# Altium PCB IPG.PcbDoc (part 9 of 10)
Units mm, origin at the board's own origin, x right, y up, seen from the top; angles counter-clockwise.
Board outline 69.6 x 90.73 mm, 10 copper layers (TOP, DHOR, DVERT, GND 1, POWER, GND 2, GND 3, AVERT, AHOR, BOT), stack 1.062 mm thick; 727 components, 391 nets, 2009 pads, 3077 vias.
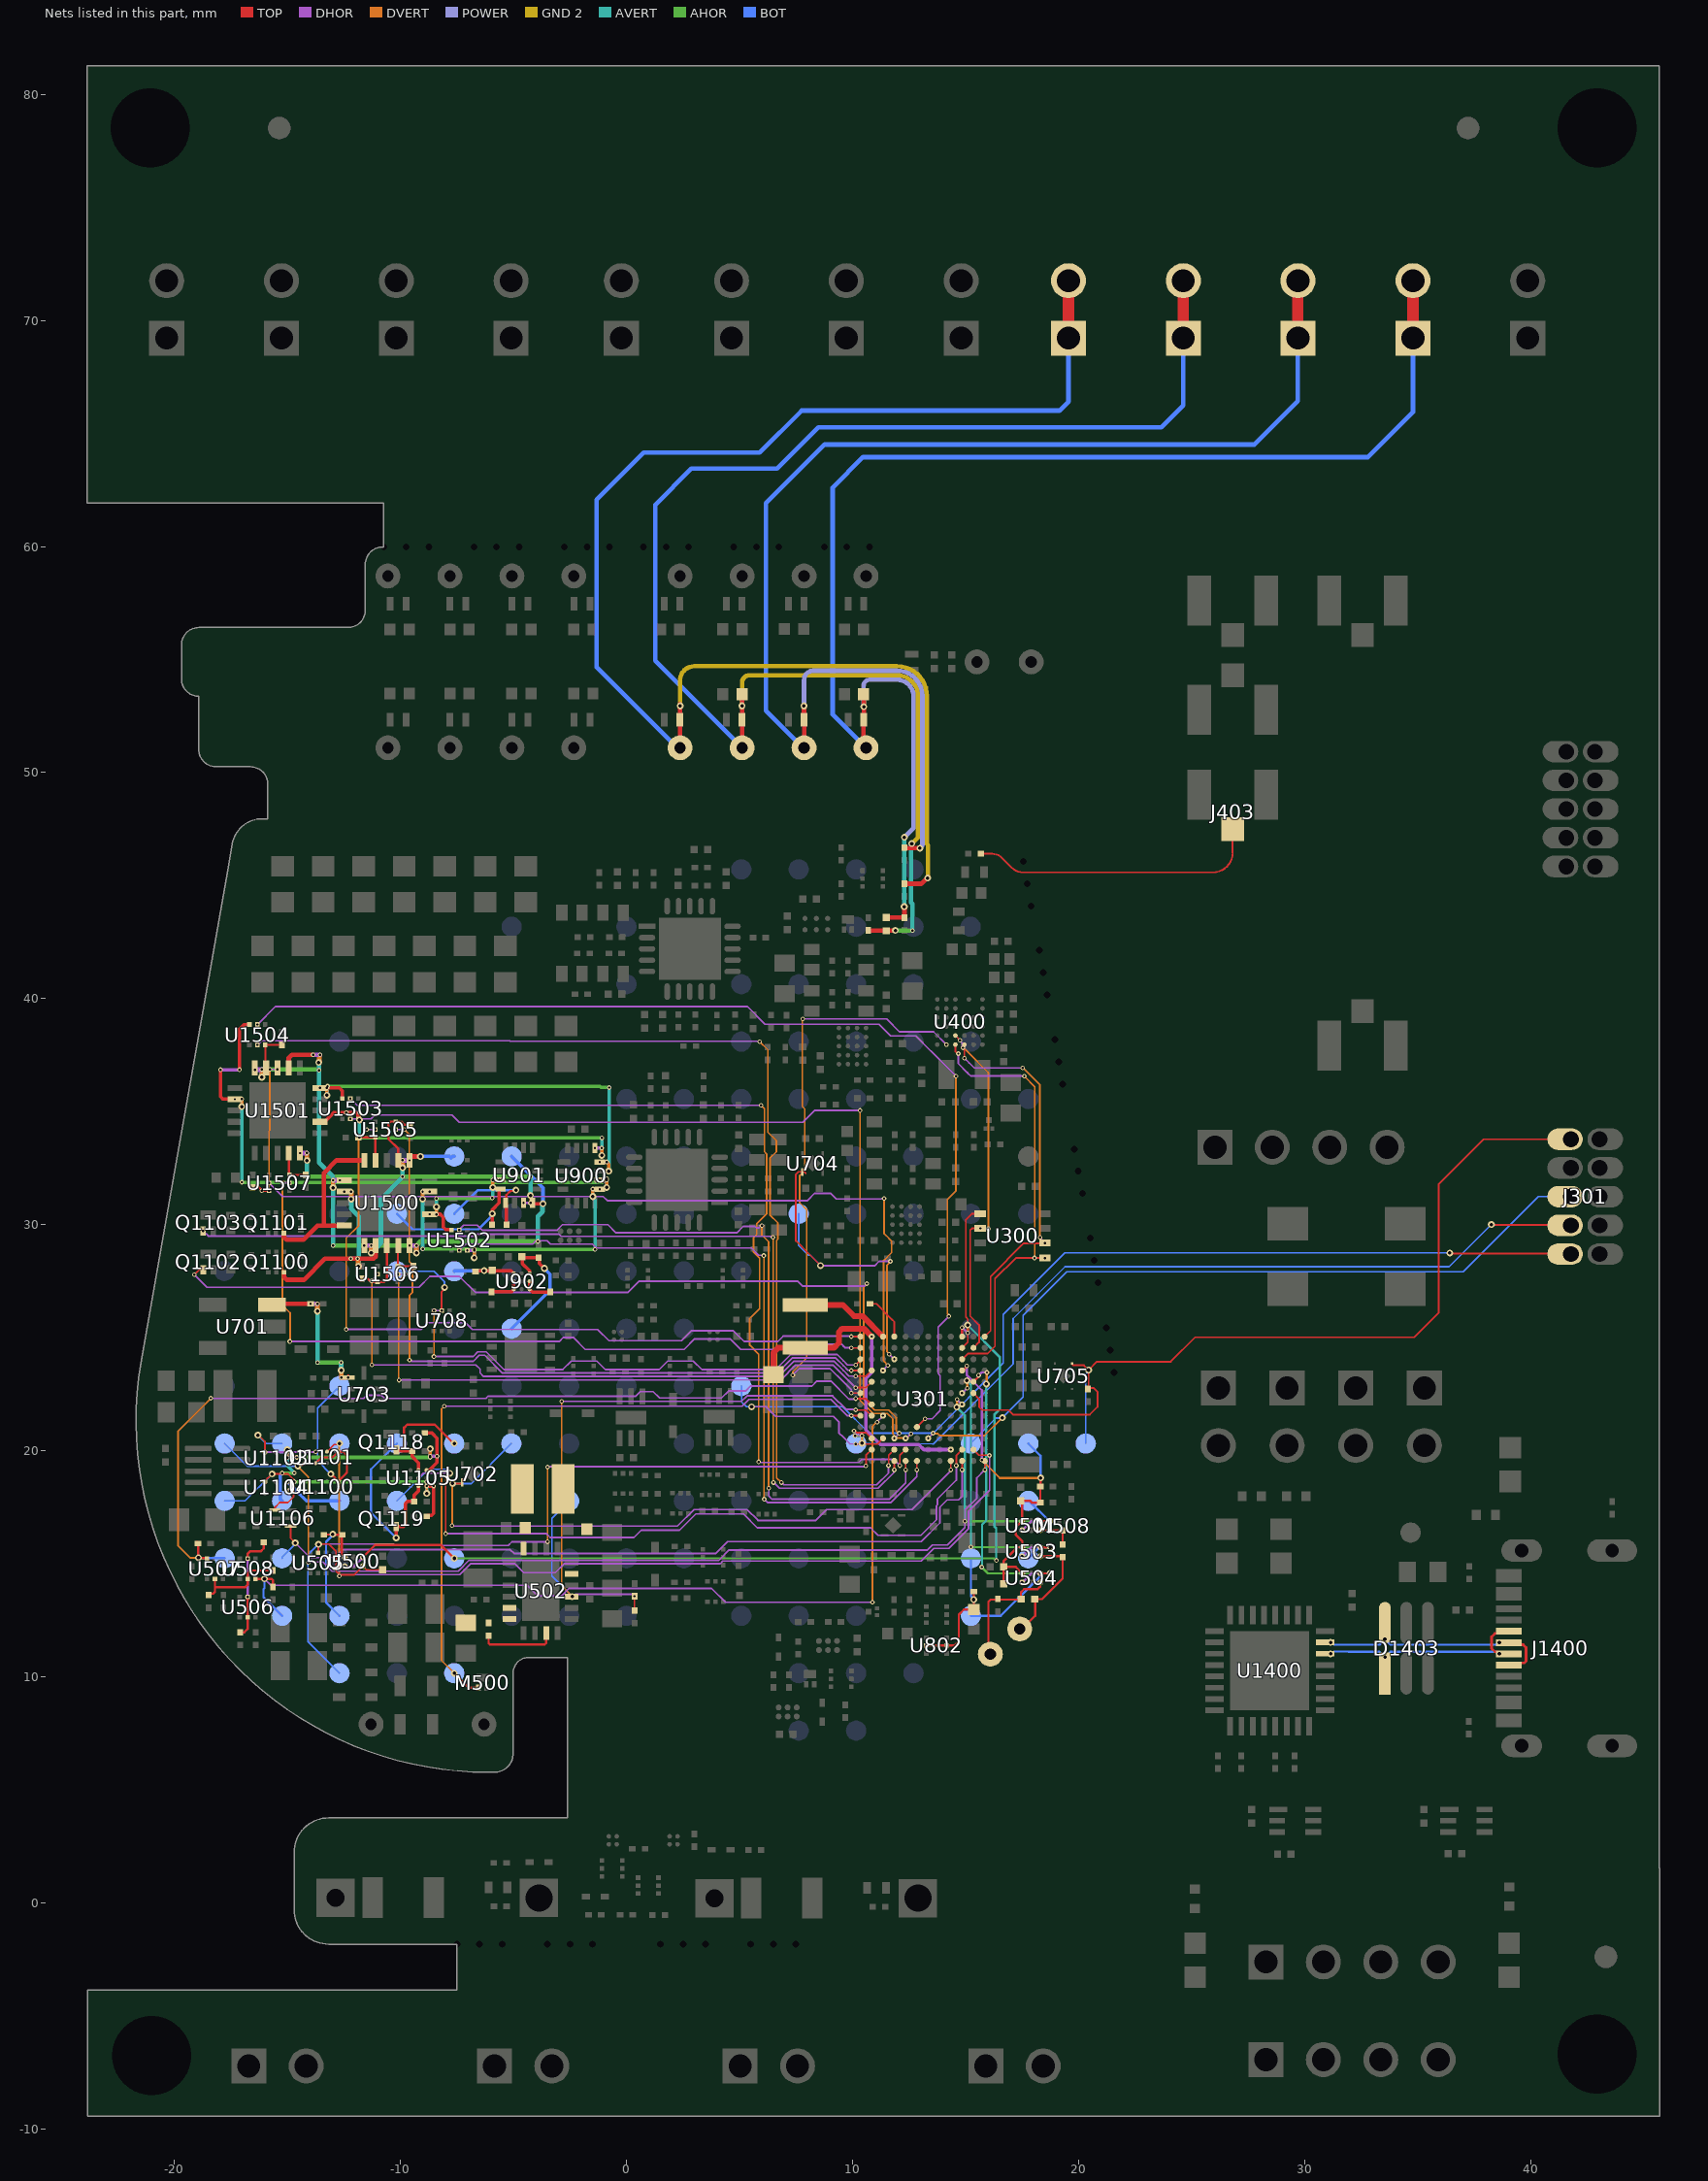
[diagram p17: the nets of this part, all layers, seen from the top]

## Via types
v1: diameter 0.203, hole 0.102, TOP to DHOR, tented top, 723 vias
v2: diameter 0.203, hole 0.102, DHOR to DVERT, tented top, 643 vias
v3: diameter 0.305/0.305/0/0.305/0.305/0.305 (per signal layer), hole 0.152, DVERT to AVERT, tented top, 439 vias
v4: diameter 0.305/0.305/0/0.305/0.305/0.305 (per signal layer), hole 0.152, DVERT to AVERT, 388 vias
v5: diameter 0.305, hole 0.152, TOP to BOT, 265 vias
v6: diameter 0.305/0.305/0.305/0.305/0/0.305/0.305/0.305/0.305/0.305 (per signal layer), hole 0.152, TOP to BOT, tented both sides, 133 vias
v7: diameter 0.305/0.305/0.305/0.305/0.305/0.305 (per signal layer), hole 0.152, DVERT to AVERT, tented top, 106 vias
v8: diameter 0.203, hole 0.102, AVERT to AHOR, tented top, 100 vias
v9: diameter 0.305, hole 0.152, TOP to BOT, tented both sides, 83 vias
v10: diameter 0.305/0/0/0.305/0/0.305/0.305/0/0/0.305 (per signal layer), hole 0.152, TOP to BOT, tented both sides, 67 vias
v11: diameter 0.305/0.305/0.305/0.305/0.305/0.305/0.305/0.305/0.305/0.305 (per signal layer), hole 0.152, TOP to BOT, tented both sides, 64 vias
v12: diameter 0.203, hole 0.102, AHOR to BOT, tented both sides, 31 vias
v13: diameter 0.203/0.203 (per signal layer), hole 0.102, DHOR to DVERT, tented top, 9 vias
v14: diameter 0.203/0.203 (per signal layer), hole 0.102, TOP to DHOR, tented top, 9 vias
v15: diameter 0.203, hole 0.102, DHOR to DVERT, tented both sides, 8 vias
v16: diameter 0.203, hole 0.102, TOP to DHOR, tented both sides, 4 vias
v17: diameter 0.305/0.305/0.305/0.305/0.305/0.305 (per signal layer), hole 0.152, DVERT to AVERT, 2 vias
v18: diameter 0.305, hole 0.152, DVERT to AVERT, tented top, 2 vias
v19: diameter 0.305/0/0/0.305/0.305/0.305/0.305/0/0/0.305 (per signal layer), hole 0.152, TOP to BOT, tented both sides, 1 vias

## Nets (pads, with @x,y where several pads share a name; then routed paths per layer and width w, separated by ;. In a path a pad name is that pad's centre, name@x,y a point inside that pad or via, vN(x,y) a via of type N, cw(c..) or ccw(c..) an arc to the next point about the centre after c; other vN are vias at no path point) (continued)
PH1_EN: TP1111.1 U301.A1 U1101.1 | length 41.8
  TOP w0.076: v6(-14.541,19.33) -14.511,19.36 -14.346,19.36 U1101.1@-14.25,19.456 ; v1(15.851,19.151) U301.A1@15.851,19.55
  DVERT w0.076: v6(-14.541,19.33) -14.541,19.305 -14.073,18.838 -14.073,17.8 -14.073,15.06 v2(-14.077,15.056)
  DHOR w0.076: v2(-14.077,15.056) -14.058,15.075 -13.426,15.075 -13.027,14.675 -7.448,14.675 -6.968,15.154 4.079,15.154 4.533,15.608 13.317,15.608 13.541,15.832 14.205,15.832 14.977,16.603 14.977,17.377 15.502,17.902 15.502,18.802 v1(15.851,19.151)
  BOT w0.076: TP1111.1@-17.78,20.32 -16.779,19.319 -16.2,19.319 -14.552,19.319 v6(-14.541,19.33)
PH1_OUT: TP1100.1 U1101.7 U1103.6 | length 4.4
  TOP w0.076: v6(-16.308,20.691) -16.278,20.691 -16,20.413 -16,20.2 -16,19.941 v1(-16.002,19.939) ; U1103.6@-16.011,19.931 v1(-16.002,19.939)
  DHOR w0.076: v1(-16.002,19.939) -15.993,19.948 -13.759,19.948 v1(-13.75,19.956)
  BOT w0.076: v6(-16.308,20.691) -15.936,20.32 TP1100.1@-15.24,20.32
PH2_EN: TP1113.1 U301.B2 U1101.6 | length 40
  TOP w0.076: U1101.6@-13.25,19.956 -12.93,20.276 v6@-12.774,20.276 ; U301.B2@15.35,20.05 15.601,19.799 16.049,19.799 v1(16.056,19.792)
  DVERT w0.076: -12.714,15.264 -12.714,20.306 v6(-12.7,20.32) ; -12.713,15.264 -12.713,14.463 v2(-12.71,14.459)
  DHOR w0.076: v2(-12.71,14.459) -12.675,14.459 -12.612,14.523 -7.385,14.523 -6.905,15.002 -4.932,15.002 -4.535,14.605 -3.157,14.605 -2.76,15.002 4.142,15.002 4.259,15.118 13.043,15.118 13.604,15.679 14.268,15.679 15.129,16.54 15.129,17.312 16.069,18.252 16.069,19.779 v1(16.056,19.792)
PH2_OUT: TP1101.1 U1104.6 U1106.4 | length 6
  TOP w0.076: U1104.6@-16,18.625 -16,18.658 v6(-15.684,18.974) -14.968,18.974 -14.732,18.737 -14.732,17.959 -14.988,17.704 -15.352,17.704 -15.543,17.513 -15.543,17.384 U1106.4@-15.559,17.368
  BOT w0.076: TP1101.1@-17.78,17.78 -16.878,17.78 v6(-15.684,18.974)
PULSE_GUARD: TP1114.1 U1100.5 U1101.2 U1101.5 | length 8
  TOP w0.102: U1101.2@-13.75,19.456 -13.5,19.706 -13,19.706 U1101.5@-12.75,19.956 -12.533,19.956 -12.395,19.819 -12.37,19.793 -12.37,19.03 -12.395,19.005 U1100.5@-12.75,18.65 -13.074,18.974 v6(-13.081,18.974)
  BOT w0.076: v6(-13.081,18.974) -13.667,19.559 -13.667,21.893 -12.852,22.708 -12.776,22.708 -12.7,22.784 TP1114.1@-12.7,22.86
RC2_VC: C802.2 R803.2 TP803.1 U802.2 U802.5 | length 6.1
  TOP w0.102: U802.5@13.266,11.379 U802.2@14.166,11.379 14.503,11.379 14.707,11.582 14.707,12.751 14.928,12.973 C802.2@15.367,12.973 ; C802.2@15.368,12.973 v6(15.368,13.416) R803.2@15.368,13.767
  BOT w0.102: TP803.1@15.24,15.24 15.24,13.565 15.368,13.437 v6(15.368,13.416)
SINK_CH1: U900.10 U1501.12 U1504.6 | length 26.3
  TOP w0.152: v1(-17.958,36.855) -17.958,35.662 -17.848,35.552 v1(-17.328,35.552) ; v1(-17.12,36.855) -17.12,38.652 -16.916,38.855 U1504.6@-16.682,38.855
  DVERT w0.152: v3(-17.023,35.225) v2(-17.023,35.556) ; v3(-0.877,31.645) v2(-0.877,31.976)
  AVERT w0.152: v3(-17.023,35.225) -17.023,35.202 -16.998,35.177 -17.021,35.155 -17.021,31.88 v8(-17.018,31.877) ; v3(-0.877,31.645) v8(-0.877,32.046)
  DHOR w0.152: v1(-17.958,36.855) v1(-17.12,36.855) ; v1(-17.328,35.552) -17.326,35.554 -17.027,35.554 v2@-17.025,35.556 ; v1(-1.182,31.972) v1(-1.182,31.972) -0.881,31.974 v2@-0.879,31.976
  AHOR w0.152: v8(-17.018,31.877) -1.068,31.877 -0.899,32.046 v8(-0.877,32.046)
SINK_CH2: U900.12 U1501.5 U1503.6 | length 19.4
  TOP w0.152: v1(-13.558,36.052) -12.709,36.052 -12.573,35.916 -12.573,35.585 -12.567,35.58 U1503.6@-12.567,35.578
  DVERT w0.152: v3(-13.253,35.725) v2(-13.253,36.056) ; v2(-0.877,32.776) -0.877,32.762 -0.788,32.673 v3(-0.788,32.372)
  AVERT w0.152: v3(-13.253,35.725) -13.241,35.738 -13.241,36.115 v8(-13.228,36.127) ; v3(-0.788,32.372) -0.772,32.388 -0.772,36.058 v8(-0.762,36.068)
  DHOR w0.152: v1(-13.558,36.052) -13.556,36.054 -13.257,36.054 v2(-13.253,36.056) ; v1(-1.182,32.772) -1.18,32.774 -0.881,32.774 v2@-0.879,32.776
  AHOR w0.152: v8(-13.228,36.127) -13.224,36.123 -1.168,36.123 -1.113,36.068 v8(-0.762,36.068)
SINK_CH3: U900.13 U1501.2 U1503.3 | length 15.9
  TOP w0.152: U1501.2@-13.558,34.552 -13.358,34.552 -12.949,34.961 -11.98,34.961 -11.891,34.872 -11.891,34.702 U1503.3@-11.867,34.678
  DVERT w0.152: v3(-11.812,34.632) v2(-11.812,34.963) ; v3(-1.096,33.064) v2(-1.096,33.395)
  AVERT w0.152: v8(-11.815,33.858) -11.814,33.86 -11.814,34.631 v3(-11.812,34.632) ; v3(-1.096,33.064) -1.096,33.828 v8(-1.087,33.837)
  DHOR w0.152: v1(-12.394,34.953) -12.389,34.958 -11.819,34.958 v2@-11.814,34.963 ; v1(-1.401,33.391) -1.399,33.393 -1.099,33.393 v2@-1.097,33.395
  AHOR w0.152: v8(-11.815,33.858) -11.805,33.848 -1.097,33.848 v8(-1.087,33.837)
SINK_CH4: U900.9 U1500.14 U1502.6 | length 14.5
  DVERT w0.152: v3(-9.02,31.136) v2(-9.02,31.467) ; v3(-6.74,28.535) v2(-6.74,28.866) ; v3(-1.487,31.245) v2(-1.487,31.576)
  AVERT w0.152: v3(-9.02,31.136) -9.02,28.931 v8(-9.016,28.927) ; v3(-6.74,28.535) v8(-6.739,28.913) ; v3(-1.487,31.245) -1.487,31.19 -1.395,31.097 v8(-1.395,28.905)
  DHOR w0.152: v2(-9.02,31.467) -9.017,31.465 -8.717,31.465 v1(-8.715,31.463) ; v1(-7.045,28.862) -7.043,28.864 -6.743,28.864 v2@-6.741,28.866 ; v2@-1.486,31.576 -1.484,31.574 -1.184,31.574 v1(-1.182,31.572)
  AHOR w0.152: v8(-9.016,28.927) -9.009,28.92 -6.745,28.92 v8(-6.739,28.913) -1.403,28.913 v8(-1.395,28.905)
SINK_ENCL: U901.11 U1500.12 U1502.3 | length 6.2
  TOP w0.152: v1(-8.715,30.463) -8.239,30.463 -8.103,30.326 -8.103,29.892 -7.997,29.787 -7.77,29.787 U1502.3@-7.745,29.762
  DVERT w0.152: v2(-8.41,30.459) v3(-8.41,30.789) ; v3(-5.918,31.652) v2(-5.918,31.983)
  AVERT w0.152: v3@-8.41,30.775 v3(-8.41,30.789) -8.41,30.795 -8.448,30.833 -8.409,30.872 -8.409,31.164 v8(-8.407,31.166) ; v8(-5.935,31.178) -5.927,31.186 -5.927,31.644 v3(-5.918,31.652)
  DHOR w0.152: v1(-8.715,30.463) -8.713,30.461 v2@-8.414,30.461 ; v2@-5.917,31.983 -5.915,31.981 -5.615,31.981 v1(-5.613,31.979)
  AHOR w0.152: v8(-8.407,31.166) -8.401,31.172 -5.941,31.172 v8(-5.935,31.178)
SNK1: U301.B9 U1504.2 | length 48.6
  TOP w0.076: v1(11.592,19.344) 11.599,19.351 11.599,19.799 U301.B9@11.85,20.05
  DVERT w0.076: v2(5.893,38.1) 6.253,37.74 6.253,34.092 6.634,33.711 6.634,33.231 6.349,32.947 6.349,30.437 6.696,30.09 6.696,29.357 6.644,29.304 6.644,18.802 v2(6.853,18.593)
  DHOR w0.076: v1(-16.332,37.953) -16.145,38.14 -5.163,38.14 -5.143,38.12 5.873,38.12 v2(5.893,38.1) ; v2(6.853,18.593) 6.858,18.593 6.96,18.491 11.071,18.491 11.592,19.013 v1(11.592,19.344)
SNK2: U301.C8 U1503.2 | length 39.5
  TOP w0.076: U301.C8@12.35,20.55 v1(12.352,20.55) U301.C8@12.355,20.55
  DVERT w0.076: v2(10.338,35.052) 10.338,25.8 10.338,22.23 10.92,21.649 11.544,21.649 11.783,21.409 11.783,20.753 11.977,20.559 12.395,20.559 v2(12.585,20.748)
  DHOR w0.076: v1(-12.217,34.678) -11.303,34.678 -11.133,34.849 -7.72,34.849 -7.405,34.534 7.805,34.534 8.323,35.052 v2(10.338,35.052) ; v1@12.353,20.551 12.37,20.551 12.568,20.748 v2(12.585,20.748)
SNK3: U301.B8 U1503.5 | length 42.1
  TOP w0.076: v1(12.092,19.344) 12.099,19.351 12.099,19.799 U301.B8@12.35,20.05
  DVERT w0.076: v2(5.852,19.508) 5.852,24.272 5.454,24.67 5.454,25.849 5.893,26.288 5.893,28.511 5.626,28.777 5.626,29.435 5.761,29.569 5.761,30.037 6.197,30.473 6.197,33.135 6.1,33.231 6.1,35.132 v2(5.953,35.28)
  DHOR w0.076: v1(-12.217,35.578) -11.919,35.28 v2(5.953,35.28) ; v2(5.852,19.508) 5.876,19.484 5.971,19.484 5.973,19.482 10.282,19.482 10.423,19.623 11.814,19.623 v1(12.092,19.344)
SNK4: U301.A8 U1502.2 | length 33.5
  TOP w0.076: v1(12.35,19.151) U301.A8@12.35,19.55
  DVERT w0.076: v2(5.99,29.961) 5.99,29.538 6.286,29.241 6.286,18.351 v2(6.299,18.339)
  DHOR w0.076: v1(-7.395,29.762) -7.395,29.794 -7.209,29.979 -6.605,29.979 -6.374,29.748 -3.092,29.748 -2.835,30.005 -0.821,30.005 -0.456,29.641 4.876,29.641 5.161,29.926 5.673,29.926 5.736,29.862 5.857,29.862 5.956,29.961 v2(5.99,29.961) ; v2(6.299,18.339) 6.299,17.995 6.438,17.856 11.624,17.856 12.35,18.582 v1(12.35,19.151)
SNK5: U301.A7 U1502.5 | length 32.7
  TOP w0.076: v1(12.85,19.151) U301.A7@12.85,19.55
  DVERT w0.076: v2(6.071,28.633) 6.083,28.621 6.083,17.869 v2(6.096,17.856)
  DHOR w0.076: v1(-7.395,28.862) -7.11,29.146 -4.146,29.146 -4.002,29.291 -3.507,29.291 -3.363,29.146 -1.507,29.146 -1.33,28.969 5.537,28.969 5.855,28.652 6.052,28.652 v2(6.071,28.633) ; v2(6.096,17.856) 6.249,17.704 11.688,17.704 12.85,18.866 v1(12.85,19.151)
SPI1.BLE_CSn: U301.G12 U400.F6 | length 26.8
  TOP w0.076: v1(9.951,22.55) U301.G12@10.35,22.55
  DVERT w0.076: v2(7.356,23.343) 7.361,23.347 7.361,23.491 7.976,24.105 7.976,30.667 7.663,30.98 7.663,32.176 7.889,32.402 7.889,35.12 7.782,35.227 7.782,39.086 v2(7.796,39.1)
  DHOR w0.076: v2(7.356,23.343) 7.651,23.637 9.008,23.637 9.6,23.044 9.946,22.698 9.946,22.555 v1(9.951,22.55) ; v2(7.796,39.1) 11.516,39.1 12.082,38.534 13.478,38.534 13.586,38.534 v1(14.152,37.968)
SPI1.FRAM_CSn: U300.1 U301.L3 | length 6.6
  TOP w0.076: U301.L3@14.85,24.55 15.099,24.799 15.099,25.8 15.099,25.826 15.011,25.914 15.011,30.212 15.287,30.487 U300.1@15.652,30.487
SPI1.MISO: U300.2 U301.L2 U400.E5 | length 15.5
  TOP w0.076: U400.E5@14.553,38.368 U400.E5@14.553,38.368 14.753,38.165 v1(14.753,38.163) ; U301.L2@15.35,24.55 15.6,24.8 15.6,25.564 15.212,25.952 15.212,29.762 15.286,29.837 v1(15.652,29.837)
  DVERT w0.076: v2(14.881,37.829) 14.911,37.829 15.072,37.668 16.01,36.729 v2(16.01,29.82)
  DHOR w0.076: v1(14.753,38.163) 14.753,38.129 14.857,38.024 14.857,37.853 v2(14.881,37.829) ; v1(15.652,29.837) 15.66,29.828 16.001,29.828 v2(16.01,29.82)
SPI1.MOSI: U300.5 U301.K3 U400.E6 | length 19.9
  TOP w0.076: U400.E6@14.553,37.968 14.553,37.656 14.561,37.656 14.65,37.568 v1(14.684,37.568) ; U301.K3@14.91,24.09 15.123,24.303 15.244,24.303 15.247,24.301 15.453,24.301 15.456,24.303 15.744,24.303 15.747,24.301 15.985,24.301 16.308,24.623 16.308,27.61 17.225,28.527 U300.5@18.451,28.527 ; v1(18.522,28.527) U300.5@18.522,28.537
  DVERT w0.076: v2(17.6,36.572) 18.068,36.105 18.068,28.543 v2(18.052,28.527)
  DHOR w0.076: v1(14.684,37.568) 14.684,37.132 15.088,36.728 15.239,36.577 v2@17.595,36.577 ; v2(18.052,28.527) v1(18.522,28.527)
SPI1.SCK: U300.6 U301.M1 U400.D6 | length 17.3
  TOP w0.076: U400.D6@14.953,37.968 14.953,37.37 v1(14.955,37.367) ; U301.M1@15.85,25.05 16.108,25.308 16.108,27.71 17.575,29.177 v1(18.522,29.177) U300.6@18.522,29.187
  DVERT w0.076: v2(17.526,36.932) 17.551,36.932 18.295,36.188 18.295,29.439 v2(18.298,29.436)
  DHOR w0.076: v1(14.955,37.367) 15.16,37.162 15.391,36.932 v2(17.526,36.932) ; v2(18.298,29.436) 18.298,29.419 18.522,29.195 v1(18.522,29.177)
SRC1: Q1102.1 U301.C9 | length 39.3
  TOP w0.076: v1(-19.126,27.788) -18.912,28.002 Q1102.1@-18.724,28.002 ; U301.C9@11.85,20.546 v1(11.85,20.548) U301.C9@11.85,20.55
  DVERT w0.076: v2(10.63,27.393) 10.63,27.367 10.491,27.227 10.491,22.294 10.983,21.801 11.607,21.801 11.935,21.473 11.935,20.883 12.044,20.775 v2(12.066,20.775)
  DHOR w0.076: v1(-19.126,27.788) -18.569,27.231 -9.184,27.231 -8.699,27.716 -7.396,27.716 -6.689,27.009 0.067,27.009 0.564,27.505 1.043,27.505 ; 1.044,27.504 7.568,27.504 7.782,27.29 10.522,27.29 10.625,27.393 v2(10.63,27.393) ; v1@11.851,20.549 11.851,20.554 12.064,20.768 v2@12.064,20.773
SRC2: Q1103.1 U301.A9 | length 42.5
  TOP w0.076: v1(11.85,19.151) U301.A9@11.85,19.55
  DVERT w0.076: v2(6.48,29.446) 6.491,29.435 6.491,18.604 v2(6.502,18.593)
  DHOR w0.076: v1(-18.733,29.726) -18.507,29.5 -6.7,29.5 -6.612,29.588 -2.997,29.588 -2.898,29.488 6.372,29.488 6.39,29.47 6.456,29.47 v2(6.48,29.446) ; v2(6.502,18.593) 6.518,18.593 6.772,18.339 11.134,18.339 11.826,19.031 11.826,19.124 v1@11.85,19.148
STIM1: Q1100.6 U1500.2 U1500.7 | length 9.6
  TOP w0.203: Q1100.6@-15.149,27.902 -15.149,27.678 -15.03,27.559 -14.28,27.559 -13.346,28.493 v1(-12.2,28.493) -11.19,28.493 -11.1,28.582 U1500.7@-11.1,29.078
  DVERT w0.203: v3(-12.18,31.136) v2(-12.18,31.467) ; v2(-11.895,28.496) -11.876,28.477 -11.876,28.181 v3(-11.857,28.162)
  AVERT w0.203: v3(-12.18,31.136) -12.18,30.706 -11.848,30.374 v3@-11.848,28.171
  DHOR w0.203: v1(-12.485,31.463) -12.483,31.465 -12.184,31.465 v2@-12.182,31.467 ; v1(-12.2,28.493) -12.198,28.494 -11.899,28.494 v2@-11.897,28.496
STIM2: Q1101.6 U1500.5 U1500.20 | length 7.5
  TOP w0.203: Q1101.6@-15.158,29.626 -15.158,29.456 -15.039,29.337 -14.3,29.337 -13.675,29.963 -13.385,29.963 ; U1500.5@-12.485,29.963 -13.385,29.963 ; U1500.20@-11.6,32.848 -12.822,32.848 -13.385,32.284 -13.385,29.963
STIM_EN: TP1108.1 U301.B3 U1105.B2 | length 33.7
  TOP w0.076: v1(-8.001,16.332) -8.001,18.817 v6(-7.813,19.006) ; v1(14.592,19.344) 14.599,19.351 14.599,19.799 U301.B3@14.85,20.05
  DHOR w0.076: v1(-9.202,18.789) -8.981,19.01 -7.817,19.01 v6(-7.813,19.006) ; v1(-8.001,16.332) -3.541,16.332 -3.372,16.163 0.332,16.163 0.656,16.488 2.352,16.488 3.068,17.204 5.174,17.204 5.785,16.592 10.798,16.592 11.134,16.256 13.029,16.256 13.716,16.943 13.716,17.571 13.756,17.61 13.756,17.861 14.592,18.698 v1(14.592,19.344)
  BOT w0.076: TP1108.1@-10.16,17.78 -8.763,19.177 -8.018,19.177 -7.847,19.006 v6(-7.813,19.006)
STIM_SEL.CH1: R1508.2 U1501.9 U1504.3 | length 1.8
  TOP w0.076: U1501.9@-15.943,36.937 -15.982,36.976 U1504.3@-15.982,37.955 R1508.2@-15.245,37.955
STIM_SEL.CH1n: U301.D7 U1504.5 | length 49.1
  TOP w0.076: U301.D7@12.85,21.05 12.85,21.052 13.208,21.41 v1(13.208,21.412)
  DVERT w0.076: v2(14.264,25.95) 14.264,25.984 14.198,26.05 14.198,31.121 14.58,31.503 v2(14.58,36.576)
  DHOR w0.076: v1(-16.332,38.855) -15.538,39.649 5.347,39.649 6.132,38.865 9.145,38.865 9.827,38.865 11.173,38.865 11.684,38.354 12.802,38.354 13.478,37.678 13.488,37.668 v2(14.58,36.576) ; v1(13.208,21.412) 13.525,21.412 13.882,21.77 13.882,23.331 13.792,23.421 13.792,25.479 v2(14.264,25.95)
STIM_SEL.CH2: R1507.2 U1501.8 U1507.6 | length 6.9
  TOP w0.076: v1(-15.443,36.871) U1501.8@-15.443,36.937
  TOP w0.102: R1507.2@-16.533,31.642 -16.256,31.642 -16.136,31.523 v1(-16.136,31.506) -16.134,31.504 -15.819,31.504 U1507.6@-15.817,31.502
  DVERT w0.076: v2(-15.819,31.499) -15.819,34.153 -15.779,34.193 v2(-15.779,36.871)
  DHOR w0.076: v1(-16.136,31.506) -16.133,31.503 -15.823,31.503 v2(-15.819,31.499) ; v2(-15.779,36.871) v1(-15.443,36.871)
STIM_SEL.CH2n: U301.L12 U1507.2 | length 33.6
  TOP w0.076: v1(9.951,24.55) U301.L12@10.35,24.55
  DVERT w0.076: v2(-15.225,31.858) -15.225,26.445 -14.88,26.1 -14.88,24.854 v2(-14.9,24.834)
  DHOR w0.076: v2(-15.225,31.858) -15.222,31.855 -14.92,31.855 v1(-14.917,31.852) ; v2(-14.9,24.834) -2.971,24.834 -2.793,25.012 -2.355,25.012 -1.829,24.486 2.552,24.486 3.015,24.95 4.584,24.95 5.053,24.481 6.847,24.481 7.08,24.714 9.511,24.714 9.6,24.625 9.663,24.562 9.939,24.562 v1(9.951,24.55)
STIM_SEL.CH3: R1506.2 U1501.19 U1507.3 | length 1.7
  TOP w0.102: U1501.19@-14.943,33.167 -14.93,33.154 -14.93,32.215 U1507.3@-14.917,32.202 R1506.2@-14.199,32.202
STIM_SEL.CH3n: U301.J10 U1507.5 | length 35.8
  DVERT w0.076: v2(11.4,31.157) 11.4,29.604 11.467,29.537 11.728,29.275 11.728,28.935 11.728,28.766 11.379,28.417 11.379,25.8 11.379,23.964 v2(11.566,23.777)
  DHOR w0.076: v1(-15.819,31.852) -15.214,31.247 -1.032,31.247 -0.853,31.067 8.008,31.067 8.329,31.389 9.028,31.389 9.276,31.14 11.384,31.14 v2(11.4,31.157) ; v1(11.35,23.55) 11.351,23.556 11.564,23.77 v2@11.564,23.775
STIM_SEL.CH4: R1503.2 U1500.17 U1505.6 | length 2.9
  TOP w0.102: U1500.17@-10.1,32.848 -10.1,33.356 -10.541,33.797 -10.541,34.452 -10.43,34.563 -10.222,34.563 U1505.6@-10.218,34.558 -9.955,34.558 -9.822,34.425 -9.584,34.425 R1503.2@-9.576,34.418
STIM_SEL.CH4n: U301.M12 U1505.2 | length 33.3
  TOP w0.076: v1(9.951,25.05) U301.M12@10.35,25.05
  DVERT w0.076: v2(-12.4,25.369) -12.4,29.408 -11.85,29.958 -11.85,33.845 v2(-11.49,34.206)
  DHOR w0.076: v2(-12.4,25.369) -12.395,25.375 -9.081,25.375 -8.788,25.668 -7.118,25.668 -6.818,25.368 -1.276,25.368 -0.775,24.867 2.429,24.867 2.868,25.306 4.731,25.306 5.201,24.836 6.699,24.836 6.933,25.07 9.6,25.07 9.931,25.07 v1(9.951,25.05) ; v2(-11.49,34.206) v2(-11.49,34.206) -11.119,34.207 v1(-11.118,34.208)
STIM_SEL.ENCL: R1504.2 U1500.9 U1506.3 | length 1.8
  TOP w0.102: U1500.9@-10.1,29.078 -10.135,29.078 -10.116,29.059 U1506.3@-10.116,28.163 -9.518,28.163 R1504.2@-9.433,28.248 ; R1504.2@-9.433,28.263 R1504.2@-9.433,28.248 ; R1504.2@-9.431,28.164 -9.433,28.166 R1504.2@-9.433,28.248
STIM_SEL.ENCLn: U301.J11 U1506.5 | length 27.2
  TOP w0.076: v1(10.142,23.306) 10.147,23.301 10.592,23.301 10.841,23.55 U301.J11@10.85,23.55
  DVERT w0.076: v2(-11.273,27.525) -11.267,27.519 -11.267,23.807 v2(-11.26,23.8)
  DHOR w0.076: v2(-11.273,27.525) -11.273,27.542 -11.018,27.796 v1(-11.018,27.813) ; v2(-11.26,23.8) -6.665,23.8 -6.478,23.612 -6.478,23.443 -6.32,23.286 6.729,23.286 7.396,23.952 9.195,23.952 9.6,23.547 9.841,23.306 v1(10.142,23.306)
STIMA: TP1500.1 U901.16 U1500.1 U1500.10 U1501.7 U1501.10 | length 29.6
  TOP w0.152: U901.16@-4.153,30.963 -4.123,30.933 v6(-3.696,30.933)
  TOP w0.203: U1501.7@-14.943,36.937 -14.943,37.381 -14.808,37.516 v1(-13.868,37.516)
  DVERT w0.203: v3(-16.138,36.529) v2(-16.138,36.859) ; v3(-13.617,37.175) -13.597,37.194 -13.597,37.486 v2(-13.563,37.52) ; v3(-12.98,31.636) v2(-12.98,31.967) ; v3(-9.295,28.751) v2(-9.295,29.082)
  AVERT w0.203: v3(-16.138,36.529) -16.135,36.532 -16.135,36.867 v8(-16.131,36.871) ; v3(-13.617,37.175) -13.6,37.158 v8(-13.6,36.834) -13.598,36.832 -13.598,32.75 -12.98,32.131 v3(-12.98,31.636) ; v8(-12.979,29.083) v3@-12.979,31.49 ; v3(-9.295,28.751) v2(-9.295,29.082) ; v8(-3.917,29.262) -3.917,30.374 -3.715,30.576 -3.715,30.914 v6(-3.696,30.933)
  DHOR w0.203: v1(-16.443,36.855) -16.441,36.857 -16.142,36.857 v2(-16.138,36.859) ; v1(-13.868,37.516) -13.866,37.518 -13.567,37.518 v2(-13.563,37.52) ; v2@-12.976,31.965 -12.677,31.965 v1(-12.675,31.963) ; v1(-9.6,29.078) -9.598,29.08 v2@-9.299,29.08
  AHOR w0.203: v8(-16.131,36.871) -13.637,36.871 v8(-13.6,36.834) ; v8(-12.979,29.083) -9.297,29.083 v2(-9.295,29.082) -9.114,29.262 v8(-3.917,29.262)
  BOT w0.152: TP1500.1@-5.08,33.02 -3.696,31.636 v6(-3.696,30.933)
  other v8: -9.295,29.082
STIMA_SEL: R1502.2 U1500.19 U1505.3 | length 1.8
  TOP w0.102: R1502.2@-11.861,33.858 U1505.3@-11.118,33.858 -11.118,32.865 U1500.19@-11.1,32.848
STIMA_SELn: U301.J12 U1505.5 | length 31.7
  TOP w0.076: v1(9.951,23.55) U301.J12@10.35,23.55
  DVERT w0.076: v2(-9.828,34.212) -9.614,33.997 -9.614,28.367 -9.474,28.227 -9.474,27 -9.594,26.88 -9.594,24.023 v2(-9.601,24.016)
  DHOR w0.076: v1(-10.218,34.208) -10.216,34.21 -9.83,34.21 v2(-9.828,34.212) ; v2(-9.601,24.016) -9.567,24.016 -9.503,23.952 -6.789,23.952 -6.517,24.224 -6.271,24.224 -5.485,23.438 6.666,23.438 7.333,24.105 9.258,24.105 9.6,23.763 9.805,23.557 9.943,23.557 v1(9.951,23.55)